# Altium PCB PCB3.PcbDoc (part 2 of 4) (continued)
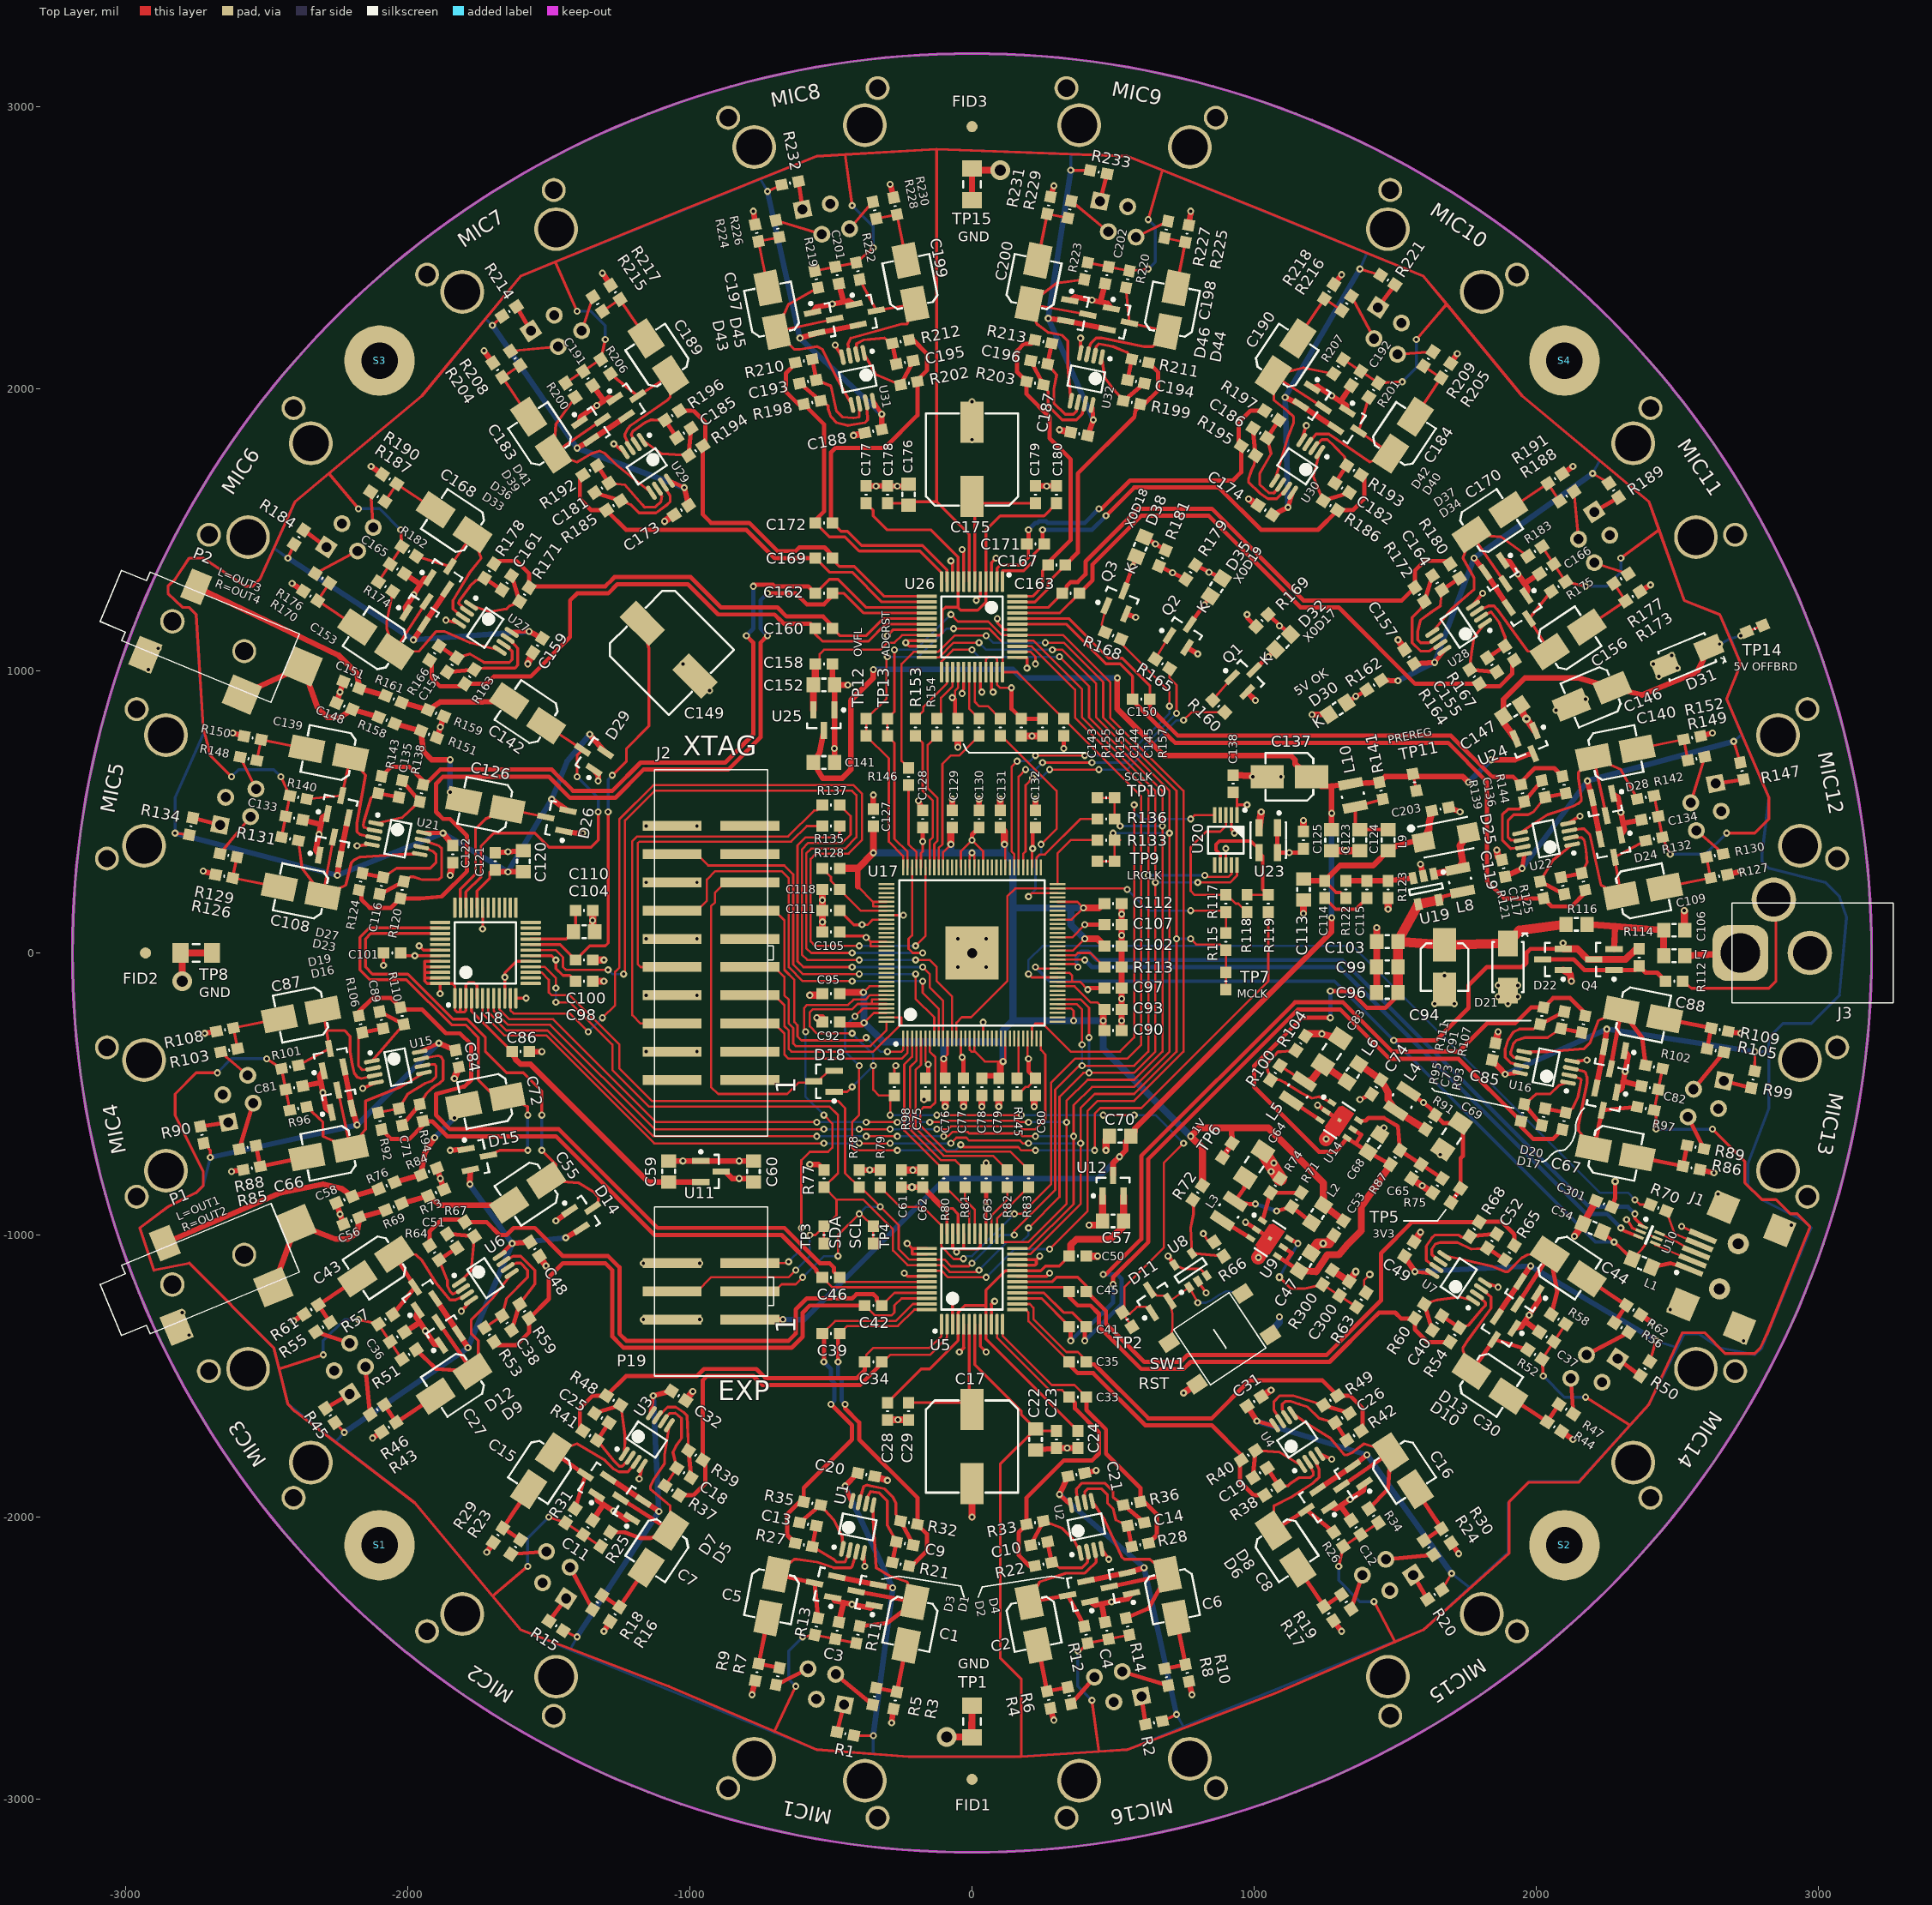
[diagram p0: Top Layer view]
## Footprints (in the part's own frame and the unit in brackets; to place one, negate y for a bottom-side part, rotate by r counter-clockwise, add the part's x,y. Pads: shape width x height; smd on the part's side, far side on the other; paste and mask are expansions set on the pad) (continued)
OSC_ADSMB [mm] "Oscillator"
  rect 1.55x0.65 smd mask+0.07: 1(-1.125,0.825) 2(-1.125,-0.825) 3(1.125,-0.825) 4(1.125,0.825)
  silkscreen extent -2.57,-1.6 1.6,1.6, body extent -1,-1.25 1,1.25, height 0.86
SCREW_4_40 [mil]
  rrect100% 250x250 hole 130 mask+0.79: 1(0,0)
SOP127P600-8N [mm]
  oval 1.45x0.401 smd mask+0.04: 1(-2.2,0.975) 2(-2.2,0.325) 3(-2.2,-0.325) 4(-2.2,-0.975) 5(2.2,-0.975) 6(2.2,-0.325) 7(2.2,0.325) 8(2.2,0.975)
  silkscreen extent -2.32,-1.55 0.92,1.87, body extent -1.55,-1.55 1.55,1.55, height 1.1
SOT23_5 [mm]
  rect 0.9x0.6 smd mask+0.07: 1(-1.2,0.95) 2(-1.2,0) 3(-1.2,-0.95) 4(1.2,-0.95) 5(1.2,0.95)
  silkscreen extent -1.32,-1.5 0.35,1.93, body extent -0.87,-1.5 0.87,1.5, height 1.45
SOT23_132 [mm] "SOT23, 3-Leads, Body 3,0x2,6mm (max), Pitch 0,95mm, IPC Medium Density"
  rect 1.55x0.55 smd: 1(-0.925,0.95) 2(-0.925,-0.95) 3(0.925,0)
  silkscreen extent -1.05,-1.5 0.7,1.9, body extent -0.7,-1.5 0.7,1.5, height 1.2
SOT23_GDS [mm] "SOT23, 3-Leads, Body 3,0x2,6mm (max), Pitch 0,95mm, IPC Medium Density"
  rect 1.55x0.55 smd: D(0.925,0) G(-0.925,0.95) S(-0.925,-0.95)
  silkscreen extent -1.05,-1.5 0.7,1.9, body extent -0.7,-1.5 0.7,1.5, height 1.2
TQFP128_XMOS [mm]
  rect 1.45x0.2 smd mask+0.051: 1(-7.7,6.2) 2(-7.7,5.8) 3(-7.7,5.4) 4(-7.7,5) 5(-7.7,4.6) 6(-7.7,4.2) 7(-7.7,3.8) 8(-7.7,3.4) 9(-7.7,3) 10(-7.7,2.6) 11(-7.7,2.2) 12(-7.7,1.8) 13(-7.7,1.4) 14(-7.7,1) 15(-7.7,0.6) 16(-7.7,0.2) 17(-7.7,-0.2) 18(-7.7,-0.6) 19(-7.7,-1) 20(-7.7,-1.4) 21(-7.7,-1.8) 22(-7.7,-2.2) 23(-7.7,-2.6) 24(-7.7,-3) 25(-7.7,-3.4) 26(-7.7,-3.8) 27(-7.7,-4.2) 28(-7.7,-4.6) 29(-7.7,-5) 30(-7.7,-5.4) 31(-7.7,-5.8) 32(-7.7,-6.2) 65(7.7,-6.2) 66(7.7,-5.8) 67(7.7,-5.4) 68(7.7,-5) 69(7.7,-4.6) 70(7.7,-4.2) 71(7.7,-3.8) 72(7.7,-3.4) 73(7.7,-3) 74(7.7,-2.6) 75(7.7,-2.2) 76(7.7,-1.8) 77(7.7,-1.4) 78(7.7,-1) 79(7.7,-0.6) 80(7.7,-0.2) 81(7.7,0.2) 82(7.7,0.6) 83(7.7,1) 84(7.7,1.4) 85(7.7,1.8) 86(7.7,2.2) 87(7.7,2.6) 88(7.7,3) 89(7.7,3.4) 90(7.7,3.8) 91(7.7,4.2) 92(7.7,4.6) 93(7.7,5) 94(7.7,5.4) 95(7.7,5.8) 96(7.7,6.2)
  rect 0.2x1.45 smd mask+0.051: 33(-6.2,-7.7) 34(-5.8,-7.7) 35(-5.4,-7.7) 36(-5,-7.7) 37(-4.6,-7.7) 38(-4.2,-7.7) 39(-3.8,-7.7) 40(-3.4,-7.7) 41(-3,-7.7) 42(-2.6,-7.7) 43(-2.2,-7.7) 44(-1.8,-7.7) 45(-1.4,-7.7) 46(-1,-7.7) 47(-0.6,-7.7) 48(-0.2,-7.7) 49(0.2,-7.7) 50(0.6,-7.7) 51(1,-7.7) 52(1.4,-7.7) 53(1.8,-7.7) 54(2.2,-7.7) 55(2.6,-7.7) 56(3,-7.7) 57(3.4,-7.7) 58(3.8,-7.7) 59(4.2,-7.7) 60(4.6,-7.7) 61(5,-7.7) 62(5.4,-7.7) 63(5.8,-7.7) 64(6.2,-7.7) 97(6.2,7.7) 98(5.8,7.7) 99(5.4,7.7) 100(5,7.7) 101(4.6,7.7) 102(4.2,7.7) 103(3.8,7.7) 104(3.4,7.7) 105(3,7.7) 106(2.6,7.7) 107(2.2,7.7) 108(1.8,7.7) 109(1.4,7.7) 110(1,7.7) 111(0.6,7.7) 112(0.2,7.7) 113(-0.2,7.7) 114(-0.6,7.7) 115(-1,7.7) 116(-1.4,7.7) 117(-1.8,7.7) 118(-2.2,7.7) 119(-2.6,7.7) 120(-3,7.7) 121(-3.4,7.7) 122(-3.8,7.7) 123(-4.2,7.7) 124(-4.6,7.7) 125(-5,7.7) 126(-5.4,7.7) 127(-5.8,7.7) 128(-6.2,7.7)
  rect 4.8x4.8 smd paste-5: 129(0,0)
  silkscreen extent -8.32,-6.55 6.55,6.97, body extent -7,-7 7,7, height 1.01
USBLC6-2 [mm] "SOT666, USB overvoltage protection device"
  rect 0.99x0.3 smd mask+0.05: 1(-0.805,0.5) 2(-0.805,0) 3(-0.805,-0.5) 4(0.805,-0.5) 5(0.805,0) 6(0.805,0.5)
  silkscreen extent -0.93,-0.85 0.05,1.32, body extent -0.65,-0.85 0.65,0.85, height 0.6

## Part data
C1 C2 C5 C6 C7 C8 C15 C16 C17 C27 C30 C43 C44 C55 C66 C67 C72 C87 C88 C94 C108 C109 C126 C137 C139 C140 C142 C146 C149 C153 C156 C168 C170 C175 C183 C184 C189 C190 C197 C198 C199 C200: "Capacitor"
D1 D2 D3 D4 D5 D6 D7 D8 D9 D10 D11 D12 D13 D14 D15 D16 D17 D18 D19 D20 D21 D22 D23 D24 D26 D27 D28 D29 D31 D33 D34 D36 D37 D39 D40 D41 D42 D43 D44 D45 D46: "Diode"
D30 D32 D35 D38 D100 D101 D102 D103: "LED"
J1: "USB On-The-Go (OTG) Mini-B Receptacle, Right Angle, SMT, 0.80mm (.031\") Pitch, Solder Tabs with Back Cover, Recessed Type"
J2: "20-pins"
J3: "Power barrel connector, through-hole, 2.5mm ID,"
MIC1 MIC2 MIC3 MIC4 MIC5 MIC6 MIC7 MIC8 MIC9 MIC10 MIC11 MIC12 MIC13 MIC14 MIC15 MIC16: "6p4c RJ11/RJ14, shielded (5555165-2 unshielded)"
P1 P2: "Audio 3.5mm CUI SJ-3523-SMT-TR"
P19: "6-pins"
Q1 Q2 Q3: "BJT NPN"
Q4: "PMOS"
S1 S2 S3 S4: "Screw hole"
TP1 TP2 TP3 TP4 TP5 TP6 TP7 TP8 TP9 TP10 TP11 TP12 TP13 TP14 TP15: "Test point"
U1 U2 U3 U4 U6 U7 U15 U16 U21 U22 U27 U28 U29 U30 U31 U32: "Dual amplifier (standard)"
U5 U26: "ADC, 24bit, 8 chan, 192kHz, PCM, TDM, LQFP48"
U8: "Voltage supervisor and power-on timer, dual"
U9 U14: "DC-DC Buck Converter, 1.5A, 1.5MHz, DFN6"
U10: "USB overvoltage protection"
U11 U12 U24 U25: "Linear voltage regulator"
U17: library part XMOS_XEF216-512-TQ128, "32-bit multicore microcontroller. 2 Tiles. 16 Logical Cores. 512KB SRAM. 1000MIPS. TQFP128."
U18: "DAC, 24-bit, 8 chan, 192kHz, PCM, TDM, DSD, LQFP48"
U19: "1.6 MHz Boost Converter With 30V Internal FET Switch, 5-pin SOT-23, Pb-Free, 3000 Reel"
U20: "Fractional-N Clock Multiplier, Crystal Reference, MSOP10"
U23: "Oscillator; 1V8 to 3V3"

## Via types
v1: diameter 25, hole 11.81, Top Layer to Bottom Layer, 543 vias
v2: diameter 28, hole 13, Top Layer to Bottom Layer, 5 vias
v3: diameter 70, hole 40, Top Layer to Bottom Layer, 3 vias
v4: diameter 30, hole 12.8, Top Layer to Bottom Layer, 2 vias
v5: diameter 47.24, hole 35.04, Top Layer to Bottom Layer, 1 vias

## Nets (pads, with @x,y where several pads share a name; then routed paths per layer and width w, separated by ;. In a path a pad name is that pad's centre, name@x,y a point inside that pad or via, vN(x,y) a via of type N, cw(c..) or ccw(c..) an arc to the next point about the centre after c; other vN are vias at no path point)
+1V0: C53.1 C76.1 C78.1 C79.1 C90.1 C92.1 C93.1 C95.1 C102.1 C112.1 C127.1 C129.1 C131.1 L2.2 R72.1 R128.1 TP6.1 TP6.2 U17.11 U17.16 U17.17 U17.24 U17.36 U17.41 U17.49 U17.56 U17.60 U17.73 U17.80 U17.81 U17.87 U17.101 U17.102 U17.120 U17.126 | length 6963.2
  Top Layer w8: -405,235 -351.1,181.1 U17.101@-303.15,181.1 ; v1(-385,-140) -363.11,-118.11 U17.120@-303.15,-118.11 ; v1(-382.5,-247.5) -347.6,-212.6 U17.126@-303.15,-212.6 ; -350,181.1 -350,165.35 U17.102@-303.15,165.35 ; U17.87@-102.36,303.15 -102.36,357.64 v1(-75,385) ; v1(-100,-375) -100,-373.39 -86.61,-360 U17.11@-86.61,-303.15 ; U17.16@-7.87,-303.15 -7.87,-343.89 -1.77,-350 10,-350 45,-385 v1(110,-385) 118.11,-376.89 U17.24@118.11,-303.15 ; U17.81@-7.87,303.15 -7.87,347.13 v1(0,355) 7.87,347.13 U17.80@7.87,303.15 ; 7.87,-350 U17.17@7.87,-303.15 ; v1(115,385) 118.11,381.89 U17.73@118.11,303.15 ; U17.36@303.15,-196.85 351.85,-196.85 360,-205 v1(360,-240) ; U17.41@303.15,-118.11 363.11,-118.11 420,-175 444.49,-175 C93.1@469.49,-200 ; U17.49@303.15,7.87 357.87,7.87 v1(400,50) ; U17.56@303.15,118.11 353.11,118.11 v1(395,160) 373.9,181.1 U17.60@303.15,181.1
  Top Layer w20: C92.1@-469.49,-245 -459.49,-255 -390,-255 v1(-382.5,-247.5) ; -405,235 -405,300 ; C78.1@35,-444.49 44.49,-435 C79.1@94.49,-435 ; C79.1@95,-434.49 C79.1@94.49,-435 ; C79.1@100,-435 C79.1@94.49,-435 ; TP6.1@888.05,-725.37 TP6.2@921.95,-674.63 920,-620
  Top Layer w25: C95.1@-469.49,-150 -459.49,-140 v1(-385,-140) ; R128.1@-469.49,300 -405,300 v1(-350,355) C127.1@-350,449.49 ; C76.1@-100,-444.49 v1(-100,-375) ; v1(-75,385) -75,439.49 C129.1@-70,444.49 ; C79.1@100,-444.49 100,-435 100,-395 v1(110,-385) ; C131.1@100,444.49 115,429.49 v1(115,385) ; v1(395,160) 450,160 C112.1@469.49,175 ; v1(400,50) 444.49,50 C102.1@469.49,25 ; C90.1@465,-270.51 v1(465,-240) C93.1@465,-204.49 ; R72.1@816.95,-824.63 816.95,-691.95 v1(775,-650) 805,-620 920,-620 1050,-620 1245.78,-815.78 L2.2@1245.78,-893.9 C53.1@1316.95,-949.63
  Bottom Layer w25: v1(-385,-140) -383,-142 v1@-383,-247.5 ; v1(-382.5,-247.5) -382.25,-247.5 -314.75,-315 -100,-315 ; v1(-350,355) -75,355 ; v1(-100,-375) -100,-315 ; v1(-75,385) -75,355 ; v1(110,-385) 110,-315 ; v1(115,385) 115,355 ; v1(395,160) 350,160 ; v1(400,50) 350,100 350,160 ; v1(775,-650) 465,-340 v1(465,-240) v1(360,-240) 145,-240 ; -100,-315 110,-315 ; -75,355 v1(0,355) 115,355 ; 110,-315 110,-275 145,-240 ; 115,355 145,325 145,160 ; 145,-240 145,160 ; 145,160 350,160
+3V3: C60.1 C61.1 C62.1 C63.1 C69.1 C75.1 C77.1 C80.1 C97.1 C98.1 C101.1 C105.1 C107.1 C111.1 C125.1 C128.1 C130.1 C132.1 C138.1 C143.1 C144.1 C145.1 C301.1 L4.2 R63.1 R77.1 R78.1 R79.1 R91.1 R98.1 R145.1 R157.1 R169.2 R179.2 R181.2 TP5.1 TP5.2 U5.28 U5.33 U5.35 U8.3 U8.5 U11.3 U17.6 U17.14 U17.19 U17.29 U17.42 U17.44 U17.52 U17.67 U17.78 U17.83 U17.92 U17.105 U17.110 U17.111 U18.18 U18.43 U20.1 U23.1 U23.4 U26.28 U26.33 U26.35 U26.38 | length 5403.3
  Top Layer w8: v1(-390,100) -370,100 -351.89,118.11 U17.105@-303.15,118.11 ; v1@-370,50 -359.37,39.37 ; U17.111@-303.15,23.62 -359.37,23.62 -359.37,39.37 ; U17.110@-303.15,39.37 -359.37,39.37 ; U17.92@-181.1,303.15 -181.1,353.9 -175,360 v1(-175,395) ; U17.6@-165.35,-303.15 -165.35,-384.65 v1(-155,-395) ; v1@-60,900 -60,930 -49.21,940.79 U26.28@-49.21,995.67 ; U17.14@-39.37,-303.15 -39.37,-360.63 -30,-370 v1(-35,-370) ; U17.83@-39.37,303.15 -39.37,360.63 v1(0,400) 39.37,360.63 U17.78@39.37,303.15 ; U17.19@39.37,-303.15 v1(39.37,-245.63) ; U26.33@49.21,995.67 49.21,1039.21 60,1050 80,1050 88.58,1041.42 U26.35@88.58,995.67 88.58,951.42 100,940 v1(140,940) ; R145.1@160,-505.51 190.71,-474.8 199.8,-474.8 225,-449.6 C80.1@225,-444.49 ; U26.38@160.43,1067.52 207.48,1067.52 225,1050 v1(225,1025) ; U17.29@196.85,-303.15 196.85,-371.85 v1(200,-375) ; U17.67@212.6,303.15 v1@212.6,377.4 ; U17.42@303.15,-102.36 355,-102.36 ; U17.44@303.15,-70.87 345.87,-70.87 355,-80 355,-102.36 ; U17.52@303.15,55.12 355.12,55.12 v1(400,100) ; v1(410,-130) 382.36,-102.36 355,-102.36 ; R63.1@1396.95,-1204.63 1390,-1180 1390,-1160 v2(1410,-1140)
  Top Layer w10: C101.1@-2025,0 -2015.16,-9.84 U18.43@-1885.43,-9.84 ; U18.18@-1564.57,-9.84 -1490.16,-9.84 v1(-1475,-25) -1475,-55 -1450,-80 -1425.51,-80 C98.1@-1405.51,-100 ; C105.1@-469.49,75 -454.49,60 -380,60 v1@-370,50 ; C111.1@-469.49,150 -419.49,100 v1(-390,100) ; R98.1@-275,-444.49 -275,-405 v1(-270,-400) ; U5.35@-88.58,-995.67 -88.58,-905.51 v1(-100,-905.51) -69.49,-905.51 -49.21,-925.79 U5.33@-49.21,-995.67 ; U5.28@49.21,-995.67 49.21,-900.79 v1(50,-900) ; v1@210,370 v1(215,370) ; v1@212.6,377.4 v1@215,375 ; U8.5@717.65,-1106.5 750,-1120 810,-1120 U8.3@832.35,-1143.5 ; C138.1@925,569.49 939.37,555.12 939.37,525 ; U20.1@939.37,488.58 939.37,525 ; v1(975,525) 939.37,525
  Top Layer w15: v1(-175,395) C128.1@-175,444.49 ; C75.1@-165,-444.49 -155,-434.49 v1(-155,-395) ; v1@-60,900 -60,840.51 C143.1@-50,830.51 ; C77.1@-30,-444.49 v1@-30,-370 ; v1(0,400) 0,419.49 C130.1@25,444.49 ; v1(50,-900) C63.1@50,-830.51 ; v1(140,940) 140,865.51 C144.1@175,830.51 C145.1@250,830.51 ; v1(200,-375) 200,-419.49 C80.1@225,-444.49 ; v1@215,375 215,434.49 C132.1@225,444.49 ; v1(325,725) R157.1@325,769.49 ; v1(400,100) C107.1@469.49,100 ; v1(410,-130) 415,-125 C97.1@469.49,-125 ; R181.2@663.32,1371.81 R179.2@758.05,1324.63 ; v1(695,-1075) 700,-1080 U8.5@717.65,-1106.5 ; v1(975,1200) 975,1188.7 R169.2@1006.85,1156.85 ; U23.1@1082.48,444.29 U23.4@1082.48,355.71 1161.22,355.71 C125.1@1175,369.49 ; L4.2@1547.97,-490.63 1625,-550 R91.1@1641.95,-574.63 1670.67,-603.35 C69.1@1731.17,-603.35 1740,-612.18 1740,-720 1731.95,-728.05 TP5.1@1731.95,-834.63 TP5.2@1698.05,-885.37 ; C301.1@2268.19,-901.68 2280,-870 v2(2280,-810)
  Top Layer w20: U11.3@-888.58,-775 -875,-775 -850,-800 v1(-825,-800) -787.4,-800 C60.1@-775,-812.4 ; v1(-575,-750) -544.49,-750 R77.1@-525,-769.49 ; R78.1@-400,-769.49 R79.1@-325,-769.49 ; C61.1@-250,-830.51 C62.1@-175,-830.51 v1(-100,-905.51)
  other v1: -362.5,-769.49 1600,-530.73 -1975,-9.84 -375,55 1125,355.71 -70,905 710.69,1348.22
  other v4: -212.5,-830.51
+5V_OFFBOARD: C20.1 C21.1 C31.1 C32.1 C48.1 C49.1 C84.1 C85.1 C119.1 C120.1 C121.1 C122.1 C146.+ C147.1 C157.1 C159.1 C173.1 C174.1 C187.1 C188.1 D1.2 D2.2 D3.2 D4.2 D5.2 D6.2 D7.2 D8.2 D9.2 D10.2 D12.2 D13.2 D14.2 D15.2 D16.2 D17.2 D19.2 D20.2 D23.2 D24.2 D26.2 D27.2 D28.2 D29.2 D31.K D33.2 D34.2 D36.2 D37.2 D39.2 D40.2 D41.2 D42.2 D43.2 D44.2 D45.2 D46.2 R1.2 R2.2 R15.2 R20.2 R45.2 R50.2 R90.2 R99.2 R134.2 R147.2 R162.2 R184.2 R189.2 R214.2 R221.2 R232.2 R233.2 TP14.1 TP14.2 U1.8 U2.8 U3.8 U4.8 U6.8 U7.8 U15.8 U16.8 U18.32 U21.8 U22.8 U24.2 U27.8 U28.8 U29.8 U30.8 U31.8 U32.8 | length 43843.1
  Top Layer w10: v1(-2825,425) R134.2@-2774.36,418.79 ; R90.2@-2723.44,-674.79 -2700,-700 v1(-2700,-725) ; v1(-2425,1400) R184.2@-2402.93,1448.61 ; R45.2@-2257.9,-1665.64 v1(-2225,-1700) ; U18.32@-1754.53,160.43 -1754.53,219.53 -1710,264.06 -1710,285 -1700.51,294.49 C121.1@-1690,294.49 ; v1(-1700,2225) R214.2@-1665.64,2257.9 ; R15.2@-1448.61,-2402.91 v1(-1400,-2425) ; v1(-725,2700) R232.2@-674.79,2723.44 ; R1.2@-418.79,-2774.36 v1(-350,-2775) ; v1(350,2775) R233.2@418.79,2774.36 ; R2.2@674.79,-2723.44 v1(725,-2700) ; v1(1375,2425) R221.2@1448.61,2402.93 ; R20.2@1665.64,-2257.9 v1(1700,-2200) ; v1(2200,1700) R189.2@2257.9,1665.64 ; R50.2@2402.91,-1448.61 v1(2425,-1375) ; v1(2700,750) R147.2@2723.45,674.81 ; TP14.1@2746.81,1138.32 TP14.2@2803.19,1161.68 ; R99.2@2774.36,-418.79 v1(2775,-350)
  Top Layer w15: U15.8@-1957.67,-350.27 v1(-1890,-320) ; U21.8@-1942.69,425.56 v1@-1875.56,425.56 ; U6.8@-1674.61,-1072.77 -1672.77,-1072.77 v1(-1630,-1030) ; U27.8@-1629.29,1139.27 v1(-1570,1140) ; U3.8@-1139.27,-1629.29 v1(-1130,-1570) ; U29.8@-1072.77,1674.61 v1(-1020,1650) ; v1(-450,-1890) U1.8@-429.34,-1942.69 ; U31.8@-350.27,1957.67 v1@-320.09,1909.95 ; v1(310,-1920) U2.8@350.27,-1957.67 ; U32.8@425.56,1942.69 v1(430,1890) ; v1(1010,-1660) U4.8@1070.1,-1677.28 ; v1(1120,1580) U30.8@1136.6,1631.96 ; v1(1570,-1130) U7.8@1631.96,-1136.6 ; v1(1640,1030) U28.8@1674.61,1072.77 ; v1(1890,-430) U16.8@1942.69,-425.56 ; v1(1950,300) U22.8@1957.67,346.49
  Top Layer w20: v1(-2250,275) D23.2@-2240.86,332.13 D27.2@-2211.6,479.25 ; D19.2@-2226.65,-403.57 D16.2@-2197.39,-550.69 v1(-2180,-610) ; v1(-1980,1110) D33.2@-1943.18,1164.39 D36.2@-1859.85,1289.11 ; D12.2@-1902.72,-1224.95 D9.2@-1819.38,-1349.67 v1(-1786.98,-1400) ; v1(-1890,-320) C84.1@-1830.95,-345.07 ; v1(-1875,425) C122.1@-1840,380.51 ; v1(-1780,-820) D15.2@-1778.42,-768.79 ; C121.1@-1690,294.49 -1683.11,287.6 v1(-1645,287.6) C120.1@-1590,287.6 ; v1(-1630,-1030) C48.1@-1566.95,-1024.63 ; v1(-1570,1140) C159.1@-1523.05,1115.37 ; v1(-1490,545) D26.2@-1431.99,504.58 ; v1(-1440,-1010) D14.2@-1384.5,-976.33 ; v1(-1400,1790) D39.2@-1349.67,1819.38 D41.2@-1224.95,1902.72 ; v1(-1355,775) D29.2@-1298.94,710.87 ; D7.2@-1289.11,-1859.85 D5.2@-1164.39,-1943.18 v1(-1110,-1980) ; v1(-1130,-1570) C32.1@-1065.37,-1553.05 ; v1(-1020,1650) C173.1@-1004.63,1586.95 ; v1(-610,2180) D43.2@-550.69,2197.39 D45.2@-403.57,2226.65 ; D3.2@-479.25,-2211.6 D1.2@-332.13,-2240.86 v1(-281.06,-2251.06) ; v1(-450,-1890) C20.1@-404.93,-1844.05 ; C188.1@-320.07,1855.95 v1(-320,1910) ; v1(270,2250) D46.2@332.13,2240.86 D44.2@479.25,2211.6 ; v1(310,-1920) C21.1@340.07,-1855.95 ; D2.2@403.57,-2226.65 D4.2@550.69,-2197.39 v1(610,-2180) ; C187.1@409.93,1834.05 v1(430,1890) ; C31.1@974.63,-1606.95 v1(1010,-1660) ; C174.1@1065.37,1553.05 v1(1120,1580) ; v1(1110,1970) D42.2@1164.39,1943.18 D40.2@1289.11,1859.85 ; D6.2@1224.95,-1902.72 D8.2@1349.67,-1819.38 v1(1400,-1780) ; R162.2@1450.37,966.95 v1(1510,965) ; C49.1@1533.05,-1075.37 v1(1570,-1130) ; C157.1@1566.95,1024.63 v1(1640,1030) ; v1(1780,1400) D37.2@1819.38,1349.67 D34.2@1902.72,1224.95 ; C85.1@1844.05,-379.93 v1(1890,-430) ; D10.2@1859.85,-1289.11 D13.2@1943.18,-1164.39 v1(1980,-1110) ; C147.1@1883.9,839.22 1883.9,898.9 1960,975 2150,975 C146.+@2269.85,940.21 2375,915 2570,995 D31.K@2612.21,1082.02 ; C119.1@1890,270 v1(1950,300) ; v1(2181.66,610) D28.2@2197.39,550.69 D24.2@2226.65,403.57 ; D17.2@2211.6,-479.25 D20.2@2240.86,-332.13 v1(2250,-270)
  Top Layer w25: C147.1@1883.9,839.22 1885,815 U24.2@1926.51,759.33
  Bottom Layer w10: v1(-2825,425) -2825,550 -2725,775 -2750,1200 -2775,1225 -2798.98,1226.02 -2850,1275 -2850,1300 -2825,1325 -2775,1400 -2725,1400 -2575,1300 -2550,1300 -2525,1325 -2475,1435 ; v1(-2700,-725) -2725,-825 -2750,-850 -2850,-900 -2950,-975 -2900,-1125 -2775,-1100 -2475,-1400 -2425,-1600 -2255.38,-1731.92 ; v1(-2425,1400) -2475,1435 ; v1(-2225,-1700) -2255.38,-1731.92 ; v1(-1700,2225) -1724.12,2249.28 ; v1(-1400,-2425) -1425,-2470.83 ; v1(-725,2700) -750,2744.05 ; v1(-350,-2775) -350,-2840.38 ; v1(350,2775) 350,2832.41 ; v1(725,-2700) 750,-2744.05 ; v1(1375,2425) 1400,2480.95 ; v1(1700,-2200) 1763.64,-2250 ; v1(2200,1700) 2225,1745.83 ; v1(2425,-1375) 2500,-1400 ; v1(2650,1095) 2690,1115 ; v1(2700,750) 2728.57,775 ; v1(2725,1125) 2690,1115 ; v1(2775,-350) 2825,-350 ; -2475,1435 -2400,1600 -1950,1975 -1724.12,2249.28 ; -2255.38,-1731.92 -1975,-1950 -1600,-2400 -1425,-2470.83 ; -1724.12,2249.28 -1600,2400 -750,2744.05 ; -1425,-2470.83 -550,-2825 -350,-2840.38 ; -750,2744.05 -550,2825 -125,2850 350,2832.41 ; -350,-2840.38 -225,-2850 150,-2850 550,-2825 750,-2744.05 ; 350,2832.41 550,2825 1400,2480.95 ; 750,-2744.05 1600,-2400 1763.64,-2250 ; 1400,2480.95 1600,2400 1950,1975 2225,1745.83 ; 1763.64,-2250 1900,-2125 1900,-1950 1975,-1875 2150,-1875 2400,-1600 2500,-1400 ; 2225,1745.83 2400,1600 2525,1250 2650,1200 2690,1115 ; 2500,-1400 2525,-1350 2575,-1350 2650,-1400 2775,-1425 2800,-1400 2975,-975 2950,-950 2800,-875 2750,-825 2750,-750 2825,-550 2825,-350 ; 2690,1115 2725,1025 2675,900 2728.57,775 ; 2728.57,775 2825,550 2800,350 2800,325 2825,300 3025,250 3075,200 3100,125 3075,-150 2975,-250 2875,-250 2825,-300 2825,-350
  Bottom Layer w20: v1(-2825,425) v1(-2250,275) v1(-1875,425) v1(-1645,287.6) v1(-1490,545) -1435,680 v1(-1355,775) ; v1(-2700,-725) v1(-2180,-610) v1(-1890,-320) ; v1(-2425,1400) v1(-1980,1110) v1(-1570,1140) ; v1(-2225,-1700) v1(-1786.98,-1400) v1(-1630,-1030) ; v1(-1780,-820) v1(-1630,-1030) ; v1(-1700,2225) v1(-1400,1790) v1(-1020,1650) ; v1(-1440,-1010) v1(-1630,-1030) ; v1(-1400,-2425) v1(-1110,-1980) v1(-1130,-1570) ; v1(-725,2700) v1(-610,2180) v1(-320,1910) ; v1(-450,-1890) v1(-281.06,-2251.06) v1(-350,-2775) ; v1(310,-1920) v1(610,-2180) v1(725,-2700) ; v1(350,2775) v1(270,2250) v1(430,1890) ; v1(1010,-1660) v1(1400,-1780) v1(1700,-2200) ; v1(1120,1580) v1(1110,1970) v1(1375,2425) ; v1(1510,965) v1(1640,1030) v1(1780,1400) v1(2200,1700) ; v1(1570,-1130) v1(1980,-1110) v1(2425,-1375) ; v1(1890,-430) v1(2250,-270) v1(2775,-350) ; v1(1950,300) v1(2181.66,610) v1(2700,750)
+5V_PREREG: C70.1 C123.1 C137.+ C141.1 L10.2 P19.1 R141.1 TP11.1 TP11.2 U12.3 U24.3 U25.3 | length 6687.8
  Top Layer w10: TP11.1@1563.09,634.85 1565.05,625 TP11.2@1575,575
  Top Layer w20: P19.1@-787.05,-1300 v1(-670,-1300) ; U25.3@-525,788.58 -540,710 C141.1@-562.4,675 -530,620 -460,620 -430,650 -430,895 -350,975 v1(-350,1005) ; U12.3@500,-788.58 500,-745 v1(522.5,-722.5) 545,-700 545,-667.4 C70.1@562.4,-650 577.4,-635 577.4,-622.6 1275,75 v1(1275,125) ; v1(515,975) 515,865 680,700 1130,700 1145,685 1145,670 C137.+@1203.74,625 1238.74,590 1275,590 C123.1@1275,437.4 ; 1275,592.24 L10.2@1341.94,599.73 R141.1@1444.05,604.93 1464.12,625 1565.05,625 1740,625 v1(1760,605) ; v1(1840,685) 1925,685 1975,705 U24.3@1988.94,706.35
  Bottom Layer w20: v1(-670,-1300) -595,-1300 -95,-800 445,-800 v1(522.5,-722.5) ; v1(-350,1005) 145,1005 175,975 v1(515,975) ; v1(1275,125) v1(1275,495) ; v1(1760,605) v1(1840,685)
ADC1_SDOUT1: R155.2 U17.88 | length 543.5
  Top Layer w8: U17.88@-118.11,303.15 -118.11,371.89 -105,385 -105,670 -75,700 -44.49,700 R155.2@25,769.49
ADC1_SDOUT2: R154.2 U17.89 | length 499
  Top Layer w8: U17.89@-133.86,303.15 -133.86,386.14 -122,398 -122,548 -157,583 -157,737.49 R154.2@-125,769.49
ADC1_SDOUT3: R156.2 U17.62 | length 805.3
  Top Layer w8: R156.2@100,769.49 105.51,769.49 300,575 300,440 v1(245,385) ; v1(200,200) 212.6,212.6 U17.62@303.15,212.6
  Bottom Layer w8: v1(200,200) 225,225 225,330 245,350 v1(245,385)
ADC1_SDOUT4: R153.2 U17.90 | length 496
  Top Layer w8: R153.2@-200,769.49 -175,744.49 -175,575 -139,539 -139,411 -149.61,400.39 U17.90@-149.61,303.15
ADC1_VQ: C133.1 C134.1 C165.1 C166.1 C176.1 C178.1 C191.1 C192.1 C201.1 C202.1 R131.2 R132.1 R140.1 R142.2 R174.2 R175.1 R182.1 R183.2 R200.2 R201.1 R206.1 R207.2 R219.2 R220.1 R222.1 R223.2 U26.7 | length 14704.6
  Top Layer w10: v1(-2625,625) -2700,700 -2725,800 -2750,1200 -2775,1225 -2798.98,1226.02 -2825,1250 -2850,1275 -2850,1300 -2825,1325 -2775,1400 -2725,1400 -2575,1300 -2550,1300 -2525,1325 -2400,1600 -2280,1700 ; v1(-2450,625) R140.1@-2418.22,557.48 C133.1@-2432.85,483.92 R131.2@-2447.48,410.37 ; v1(-2175,1575) -2280,1700 ; R174.2@-2104.14,1315.74 C165.1@-2062.47,1378.1 R182.1@-2020.8,1440.46 v1(-2025,1500) ; R200.2@-1440.46,2020.8 C191.1@-1378.1,2062.47 R206.1@-1315.74,2104.14 v1(-1300,2175) ; v1(-1400,2275) -1477.78,2450 ; R219.2@-557.48,2418.22 C201.1@-483.92,2432.85 R222.1@-410.37,2447.48 v1(-350,2500) ; v1(-425,2650) -450,2830.88 ; C178.1@-300,1594.49 -231.89,1594.49 C176.1@-225,1587.6 -225,1600 -125,1600 ; U26.7@-9.84,1316.54 -9.84,1484.84 -125,1600 ; R223.2@410.36,2447.48 C202.1@483.92,2432.85 R220.1@557.48,2418.22 v1(625,2425) ; v1(625,2600) 675,2775 ; R207.2@1315.74,2104.14 C192.1@1378.1,2062.47 R201.1@1440.46,2020.8 v1(1525,2025) ; v1(1575,2175) 1682.35,2300 ; R183.2@2020.8,1440.46 C166.1@2062.47,1378.1 R175.1@2104.14,1315.74 v1(2175,1300) ; v1(2300,1400) 2435.71,1500 ; R142.2@2418.22,557.48 C134.1@2432.85,483.92 R132.1@2447.48,410.37 v1(2475,350) ; v1(2675,425) 2775,425 2825,475 2825,550 2675,900 2725,1025 2650,1200 2525,1250 2435.71,1500 ; -2280,1700 -1950,1975 -1600,2400 -1477.78,2450 ; -1477.78,2450 -1050,2625 -550,2825 -450,2830.88 ; -450,2830.88 -125,2850 ; -125,1600 -125,2850 ; -125,2850 550,2825 675,2775 ; 675,2775 1050,2625 1600,2400 1682.35,2300 ; 1682.35,2300 1950,1975 2400,1600 2435.71,1500
  Bottom Layer w10: v1(-2625,625) -2600,650 -2475,650 v1(-2450,625) ; v1(-2175,1575) -2100,1575 v1(-2025,1500) ; v1(-1400,2275) -1350,2275 -1300,2225 v1(-1300,2175) ; v1(-425,2650) -350,2575 v1(-350,2500) ; v1(625,2425) 650,2450 650,2575 v1(625,2600) ; v1(1525,2025) 1575,2075 v1(1575,2175) ; v1(2175,1300) 2250,1300 2300,1350 v1(2300,1400) ; v1(2475,350) 2600,350 v1(2675,425)
ADC2_SDOUT1: R81.2 U17.4 | length 586.3
  Top Layer w8: U17.4@-196.85,-303.15 -196.85,-381.85 -220,-405 -220,-625 -110,-735 -59.49,-735 R81.2@-25,-769.49
ADC2_SDOUT2: R82.2 U17.5 | length 711.6
  Top Layer w8: U17.5@-181.1,-303.15 -181.1,-396.1 -200,-415 -200,-620 -100.5,-719.5 75.01,-719.5 R82.2@125,-769.49
ADC2_SDOUT3: R80.2 U17.3 | length 535.7
  Top Layer w8: U17.3@-212.6,-303.15 -212.6,-367.6 -240,-395 -240,-629.49 R80.2@-100,-769.49
ADC2_SDOUT4: R83.2 U17.7 | length 801.8
  Top Layer w8: U17.7@-149.61,-303.15 -149.61,-350.39 -130,-370 -130,-530 -147.26,-547.26 -172.26,-547.26 -183,-558 -183,-612 -91,-704 134.51,-704 R83.2@200,-769.49
ADC2_VQ: C3.1 C4.1 C11.1 C12.1 C22.1 C23.1 C36.1 C37.1 C81.1 C82.1 R11.2 R12.1 R13.1 R14.2 R25.2 R26.1 R31.1 R34.2 R51.2 R52.1 R57.1 R58.2 R96.2 R97.1 R101.1 R102.2 U5.7 | length 15233.4
  Top Layer w10: v1(-2675,-425) -2750,-425 -2825,-500 -2825,-575 -2725,-775 -2725,-825 -2750,-850 -2850,-900 -2950,-975 -2900,-1125 -2775,-1100 -2475,-1400 -2456.25,-1475 ; v1(-2500,-375) R101.1@-2447.48,-410.36 C81.1@-2432.85,-483.92 R96.2@-2418.22,-557.48 ; v1(-2300,-1425) -2456.25,-1475 ; v1(-2175,-1300) R57.1@-2104.14,-1315.74 C36.1@-2062.47,-1378.1 R51.2@-2020.8,-1440.46 ; v1(-1575,-2175) -1700,-2280 ; v1(-1500,-2000) R31.1@-1440.46,-2020.8 C11.1@-1378.1,-2062.47 R25.2@-1315.74,-2104.14 ; v1(-625,-2600) -700,-2760.71 ; v1(-600,-2425) R13.1@-557.48,-2418.22 C3.1@-483.92,-2432.85 R11.2@-410.36,-2447.48 ; U5.7@9.84,-1316.54 9.84,-1459.84 175,-1625 175,-1637.6 C22.1@225,-1687.6 ; C23.1@300,-1694.49 231.89,-1694.49 C22.1@225,-1687.6 ; v1(375,-2475) 382.85,-2475 R12.1@410.36,-2447.48 C4.1@483.92,-2432.85 R14.2@557.48,-2418.22 ; v1(425,-2650) 450,-2831.67 ; v1(1300,-2175) R26.1@1315.74,-2104.14 C12.1@1378.1,-2062.47 R34.2@1440.46,-2020.8 ; v1(1425,-2300) 1500,-2442.86 ; v1(2025,-1500) R52.1@2020.8,-1440.46 C37.1@2062.47,-1378.1 R58.2@2104.14,-1315.74 ; v1(2175,-1575) 2332.78,-1675 ; v1(2425,-625) 2425,-564.26 R97.1@2418.22,-557.48 C82.1@2432.85,-483.92 R102.2@2447.48,-410.36 ; v1(2625,-625) 2739.74,-739.74 2739.74,-814.74 2800,-875 2850,-875 2900,-925 2925,-925 2969.59,-969.59 2969.59,-973.23 2816.95,-1352.92 ; -2456.25,-1475 -2425,-1600 -2400,-1625 -1975,-1950 -1700,-2280 ; -1700,-2280 -1600,-2400 -1075,-2600 -700,-2760.71 ; -700,-2760.71 -550,-2825 -225,-2850 175,-2850 ; 175,-2850 175,-2575 100,-2500 100,-1812.6 C22.1@225,-1687.6 ; 175,-2850 450,-2831.67 ; 450,-2831.67 550,-2825 1075,-2625 1500,-2442.86 ; 1500,-2442.86 1600,-2400 1903.21,-2128.59 1903.21,-1946.79 1973.27,-1876.73 2151.98,-1876.73 2332.78,-1675 ; 2332.78,-1675 2400,-1600 2518.06,-1346.29 2596.29,-1346.29 2670,-1420 2774.79,-1420 2792.91,-1401.88 ; 2792.91,-1401.88 ccw(c0,0) 2816.95,-1352.92 ; 2792.91,-1401.88 ccw(c0,0) 2816.95,-1352.92
  Bottom Layer w10: v1(-2675,-425) -2625,-375 v1(-2500,-375) ; v1(-2300,-1425) -2300,-1375 -2225,-1300 v1(-2175,-1300) ; v1(-1575,-2175) -1575,-2075 v1(-1500,-2000) ; v1(-625,-2600) -650,-2575 -650,-2475 v1(-600,-2425) ; v1(375,-2475) 375,-2600 v1(425,-2650) ; v1(1300,-2175) 1300,-2225 1375,-2300 v1(1425,-2300) ; v1(2025,-1500) 2100,-1575 v1(2175,-1575) ; v1(2425,-625) v1(2625,-625)
DAC_SDIN1: U17.32 U18.8 | length 2490
  Top Layer w8: U18.8@-1695.47,-160.43 -1695.47,-204.53 -1645,-255 -1495,-255 -1125,-625 v1(-525,-625) ; v1(-400,-625) v1(-290,-625) ; v1(-125,-625) -85,-625 -75,-615 170,-615 180,-625 225,-625 260,-590 260,-360 244.09,-344.09 U17.32@244.09,-303.15
  Bottom Layer w8: v1(-525,-625) v1(-400,-625) ; v1(-290,-625) v1(-125,-625)
DAC_SDIN2: U17.91 U18.11 | length 3412
  Top Layer w8: U18.11@-1636.42,-160.43 -1636.42,-203.58 -1625,-215 -1425,-215 v1(-1360,-280) ; v1(-1310,-230) -1265,-185 -1265,-66.82 -1250,-51.82 -1250,475 -1130,595 -420,595 -390,565 -390,400 -437.8,352.2 -553,352.2 -572,333.2 -572,40.9 -556.1,25 v1(-400,25) ; v1(-200,25) -165.35,59.65 U17.91@-165.35,303.15
  Bottom Layer w8: v1(-1360,-280) v1(-1310,-230) ; v1(-400,25) v1(-200,25)